# Altium PCB FPGA_Module.PcbDoc (part 3 of 5) (continued)
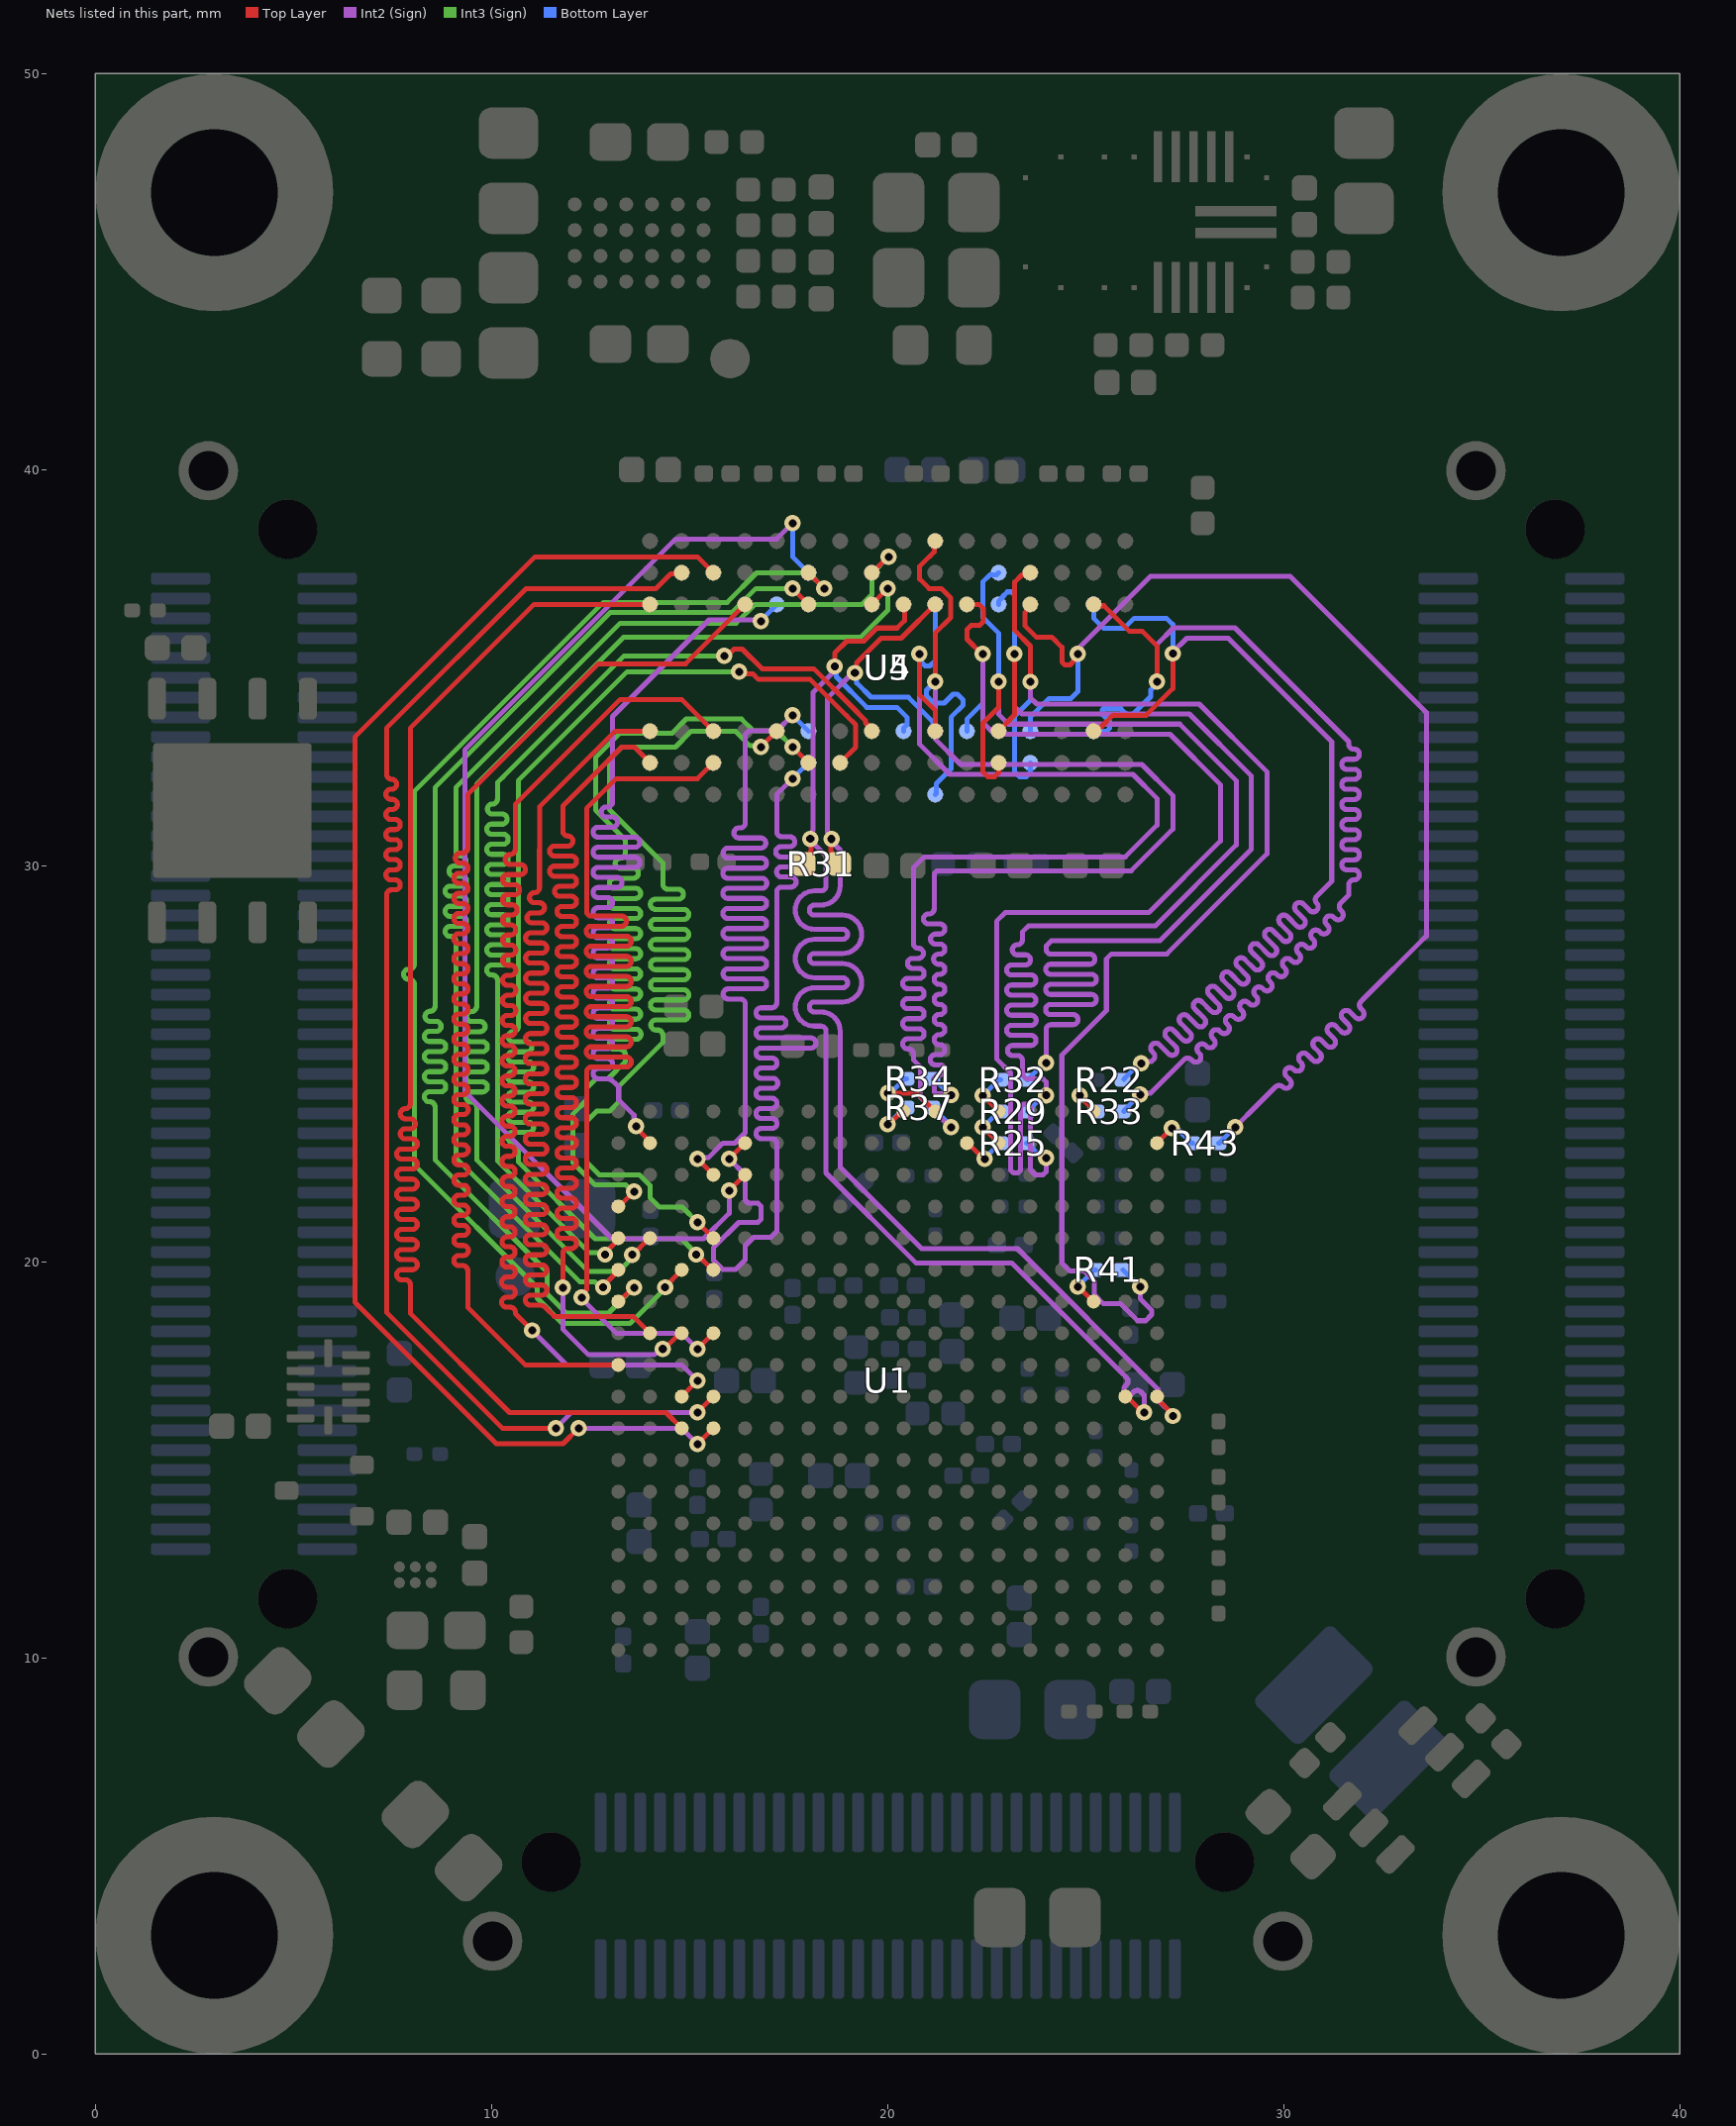
[diagram p7: the nets of this part, all layers, seen from the top]
## Nets (pads, with @x,y where several pads share a name; then routed paths per layer and width w, separated by ;. In a path a pad name is that pad's centre, name@x,y a point inside that pad or via, vN(x,y) a via of type N, cw(c..) or ccw(c..) an arc to the next point about the centre after c; other vN are vias at no path point) (continued)
  Bottom Layer w0.127: v1(18.664,35.031) 18.703,34.991 18.703,34.768 19.472,33.999 19.695,33.999 20.237,33.999 20.487,33.749 20.487,33.561 20.4,33.474 U5.J7@20.4,33.4
DDR3_D0: U1.D14 U4.E3 | length 32.3
  Top Layer w0.127: v1(15.2,21) U1.D14@15.562,20.638 ; v1(16.8,33) U4.E3@17.2,33.4
  Int3 (Sign) w0.127: v1(15.2,21) 14.819,21.381 14.237,21.381 14,21.618 14,21.932 13.732,22.2 13.375,22.2 12.718,22.2 12.406,22.512 12.406,23.556 12.654,23.803 12.978,23.803 13.213,24.038 13.213,24.426 14.325,25.538 14.325,25.662 14.325,25.725 ccw(c14.198,25.725) 14.198,25.852 14.15,25.852 cw(c14.15,25.979) 14.15,26.106 14.852,26.106 ccw(c14.852,26.233) 14.852,26.36 14.14,26.36 cw(c14.14,26.487) 14.14,26.614 14.852,26.614 ccw(c14.852,26.741) 14.852,26.868 14.14,26.868 cw(c14.14,26.995) 14.14,27.122 14.852,27.122 ccw(c14.852,27.249) 14.852,27.376 14.139,27.376 cw(c14.139,27.503) 14.139,27.63 14.852,27.63 ccw(c14.852,27.757) 14.852,27.884 14.138,27.884 cw(c14.138,28.011) 14.138,28.138 14.852,28.138 ccw(c14.852,28.265) 14.852,28.392 14.137,28.392 cw(c14.137,28.519) 14.137,28.646 14.852,28.646 ccw(c14.852,28.773) 14.852,28.9 14.135,28.9 cw(c14.135,29.027) 14.135,29.154 14.718,29.154 ccw(c14.718,29.281) 14.718,29.408 14.452,29.408 cw(c14.452,29.535) 14.325,29.535 14.325,30.066 14.325,30.068 12.975,31.418 12.975,32.682 13.29,32.997 14.64,32.997 15.037,33.394 16.161,33.394 16.526,33.029 16.771,33.029 v1(16.8,33)
DDR3_D1: U1.A12 U4.F7 | length 32.3
  Top Layer w0.127: U1.A12@13.213,19.038 13.263,19.038 13.575,19.35 v1(13.6,19.35) ; v1(17.6,37) U4.F7@18,36.6
  Int3 (Sign) w0.127: v1(13.6,19.35) 12.956,18.706 11.887,18.706 11.406,19.187 11.406,19.744 8.575,22.575 8.575,23.85 8.575,23.913 ccw(c8.448,23.913) 8.448,24.04 8.431,24.04 cw(c8.431,24.167) 8.431,24.294 8.719,24.294 ccw(c8.719,24.421) 8.719,24.548 8.431,24.548 cw(c8.431,24.675) 8.431,24.802 8.719,24.802 ccw(c8.719,24.929) 8.719,25.056 8.431,25.056 cw(c8.431,25.183) 8.431,25.31 8.719,25.31 ccw(c8.719,25.437) 8.719,25.564 8.431,25.564 cw(c8.431,25.691) 8.431,25.818 8.601,25.818 ccw(c8.601,25.945) 8.601,26.072 8.448,26.072 cw(c8.448,26.199) 8.448,26.326 ccw(c8.448,26.453) 8.575,26.453 8.575,27.275 8.575,31.975 12.996,36.396 16.071,36.396 16.675,37 v1(17.6,37)
DDR3_D2: U1.A15 U4.F2 | length 32.4
  Top Layer w0.127: U1.A15@13.162,21.438 13.263,21.438 v1(13.6,21.775) ; v1(17.6,33) U4.F2@18,32.6
  Int3 (Sign) w0.127: v1(13.6,21.775) 13.557,21.775 13.386,21.946 12.613,21.946 12.05,22.509 12.05,23.725 12.406,24.081 12.406,24.388 12.637,24.619 12.944,24.619 13.375,25.05 13.375,25.175 13.375,25.239 ccw(c13.248,25.239) 13.248,25.366 13.102,25.366 cw(c13.102,25.493) 13.102,25.62 13.648,25.62 ccw(c13.648,25.747) 13.648,25.874 13.102,25.874 cw(c13.102,26.001) 13.102,26.128 13.638,26.128 ccw(c13.638,26.255) 13.638,26.382 13.102,26.382 cw(c13.102,26.509) 13.102,26.636 13.638,26.636 ccw(c13.638,26.763) 13.638,26.89 13.102,26.89 cw(c13.102,27.017) 13.102,27.144 13.638,27.144 ccw(c13.638,27.271) 13.638,27.398 13.102,27.398 cw(c13.102,27.525) 13.102,27.652 13.638,27.652 ccw(c13.638,27.779) 13.638,27.906 13.102,27.906 cw(c13.102,28.033) 13.102,28.16 13.638,28.16 ccw(c13.638,28.287) 13.638,28.414 13.102,28.414 cw(c13.102,28.541) 13.102,28.668 13.638,28.668 ccw(c13.638,28.795) 13.638,28.922 13.102,28.922 cw(c13.102,29.049) 13.102,29.176 13.638,29.176 ccw(c13.638,29.303) 13.638,29.43 13.102,29.43 cw(c13.102,29.557) 13.102,29.684 13.581,29.684 ccw(c13.581,29.811) 13.581,29.938 13.248,29.938 cw(c13.248,30.065) 13.248,30.192 ccw(c13.248,30.319) 13.375,30.319 13.375,30.523 13.375,30.659 12.625,31.409 12.625,32.726 13.25,33.351 14.562,33.351 14.917,33.705 16.102,33.705 ; 16.103,33.705 16.312,33.705 16.611,33.406 17.194,33.406 v1(17.6,33)
DDR3_D3: U1.C13 U4.F8 | length 32.3
  Top Layer w0.127: v1(14.383,19.36) 14.383,19.372 14.762,19.751 U1.C13@14.762,19.812 ; U4.F8@18,37.4 v1(18.4,37)
  Int3 (Sign) w0.127: v1(14.383,19.36) 14.383,19.333 13.496,18.446 11.788,18.446 11.152,19.082 11.152,19.348 8.05,22.45 8.05,26.943 8.05,27.007 ccw(c7.923,27.007) 7.923,27.134 7.906,27.134 cw(c7.906,27.261) 7.906,27.388 7.923,27.388 ccw(c7.923,27.515) 8.05,27.515 8.05,28.054 8.05,31.875 12.825,36.65 15.95,36.65 16.694,37.394 18.006,37.394 v1(18.4,37)
DDR3_D4: U1.A14 U4.H3 | length 32.8
  Top Layer w0.127: v1(12.865,20.185) 12.865,20.225 13.161,20.52 13.162,20.52 U1.A14@13.162,20.638 ; v1(15.875,35.3) 15.951,35.3 16.121,35.47 16.332,35.47 16.827,34.975 18.134,34.975 19.065,34.045 19.067,34.045 19.445,33.667 19.445,33.611 19.6,33.455 U4.H3@19.6,33.4
  Int3 (Sign) w0.127: v1(12.865,20.185) 12.821,20.229 12.471,20.229 10.15,22.55 10.15,27.05 10.15,27.114 ccw(c10.023,27.114) 10.023,27.241 10.006,27.241 cw(c10.006,27.368) 10.006,27.495 10.294,27.495 ccw(c10.294,27.622) 10.294,27.749 10.006,27.749 cw(c10.006,27.876) 10.006,28.003 10.294,28.003 ccw(c10.294,28.13) 10.294,28.257 10.006,28.257 cw(c10.006,28.384) 10.006,28.511 10.294,28.511 ccw(c10.294,28.638) 10.294,28.765 10.006,28.765 cw(c10.006,28.892) 10.006,29.019 10.294,29.019 ccw(c10.294,29.146) 10.294,29.273 10.006,29.273 cw(c10.006,29.4) 10.006,29.527 10.294,29.527 ccw(c10.294,29.654) 10.294,29.781 10.006,29.781 cw(c10.006,29.908) 10.006,30.035 10.294,30.035 ccw(c10.294,30.162) 10.294,30.289 10.006,30.289 cw(c10.006,30.416) 10.006,30.543 10.294,30.543 ccw(c10.294,30.67) 10.294,30.797 10.006,30.797 cw(c10.006,30.924) 10.006,31.051 10.268,31.051 ccw(c10.268,31.178) 10.268,31.305 10.023,31.305 cw(c10.023,31.432) 10.023,31.559 ccw(c10.023,31.686) 10.15,31.686 10.15,32.103 10.285,32.238 13.347,35.3 v1(15.875,35.3)
DDR3_D5: U1.A13 U4.H8 | length 32.3
  Top Layer w0.127: v1(12.816,19.359) 12.816,19.387 13.162,19.734 U1.A13@13.162,19.762 ; U4.H8@19.6,37.4 19.612,37.4 20.012,37.8 v1(20.025,37.8)
  Int3 (Sign) w0.127: v1(12.816,19.359) 12.744,19.359 12.602,19.5 12.225,19.5 9.1,22.625 9.1,28.025 9.1,28.089 ccw(c8.973,28.089) 8.973,28.216 8.956,28.216 cw(c8.956,28.343) 8.956,28.47 9.244,28.47 ccw(c9.244,28.597) 9.244,28.724 8.956,28.724 cw(c8.956,28.851) 8.956,28.978 9.244,28.978 ccw(c9.244,29.105) 9.244,29.232 8.956,29.232 cw(c8.956,29.359) 8.956,29.486 9.244,29.486 ccw(c9.244,29.613) 9.244,29.74 9.054,29.74 cw(c9.054,29.867) 9.054,29.994 9.227,29.994 ccw(c9.227,30.121) 9.227,30.248 cw(c9.227,30.375) 9.1,30.375 9.1,31.36 9.1,31.975 13.25,36.125 16.175,36.125 16.644,36.594 19.35,36.594 19.606,36.85 19.606,37.381 v1(20.025,37.8)
DDR3_D6: U1.D13 U4.G2 | length 32.7
  Top Layer w0.127: v1(15.169,20.181) 15.194,20.181 15.537,19.838 U1.D13@15.562,19.838 ; v1(16.25,34.9) 16.303,34.847 16.597,34.847 16.738,34.705 18.045,34.705 18.959,33.791 18.962,33.791 19.191,33.562 19.191,32.991 U4.G2@18.8,32.6
  Int3 (Sign) w0.127: v1(15.169,20.181) 15.169,20.206 14.795,20.58 12.62,20.58 10.675,22.525 10.675,22.825 10.675,22.889 ccw(c10.548,22.889) 10.548,23.016 10.531,23.016 cw(c10.531,23.143) 10.531,23.27 10.937,23.27 ccw(c10.937,23.397) 10.937,23.524 10.531,23.524 cw(c10.531,23.651) 10.531,23.778 10.937,23.778 ccw(c10.937,23.905) 10.937,24.032 10.531,24.032 cw(c10.531,24.159) 10.531,24.286 10.937,24.286 ccw(c10.937,24.413) 10.937,24.54 10.531,24.54 cw(c10.531,24.667) 10.531,24.794 10.937,24.794 ccw(c10.937,24.921) 10.937,25.048 10.531,25.048 cw(c10.531,25.175) 10.531,25.302 10.896,25.302 ccw(c10.896,25.429) 10.896,25.556 10.548,25.556 cw(c10.548,25.683) 10.548,25.81 ccw(c10.548,25.937) 10.675,25.937 10.675,31.922 10.675,32.15 13.425,34.9 v1(16.25,34.9)
DDR3_D7: U1.B14 U4.H7 | length 32.3
  Top Layer w0.127: v1(13.551,20.179) 13.565,20.179 13.948,20.562 U1.B14@13.962,20.562 ; U4.H7@19.6,36.6 v1(20,37)
  Int3 (Sign) w0.127: v1(13.551,20.179) 13.551,20.103 13.358,19.91 13.358,19.908 13.204,19.754 12.446,19.754 9.625,22.575 9.625,23.845 9.625,23.908 ccw(c9.498,23.908) 9.498,24.035 9.481,24.035 cw(c9.481,24.162) 9.481,24.289 9.769,24.289 ccw(c9.769,24.416) 9.769,24.543 9.481,24.543 cw(c9.481,24.67) 9.481,24.797 9.769,24.797 ccw(c9.769,24.924) 9.769,25.051 9.481,25.051 cw(c9.481,25.178) 9.481,25.305 9.769,25.305 ccw(c9.769,25.432) 9.769,25.559 9.481,25.559 cw(c9.481,25.686) 9.481,25.813 9.713,25.813 ccw(c9.713,25.94) 9.713,26.067 9.498,26.067 cw(c9.498,26.194) 9.498,26.321 ccw(c9.498,26.448) 9.625,26.448 9.625,26.89 9.625,32.061 13.333,35.769 19.325,35.769 20,36.443 v1(20,37)
DDR3_D8: U1.A10 U4.D7 | length 36.8
  Top Layer w0.127: U1.A10@13.2,17.4 10.85,17.4 9.4,18.85 9.4,19.716 9.4,19.779 ccw(c9.273,19.779) 9.273,19.906 9.177,19.906 cw(c9.177,20.033) 9.177,20.16 9.288,20.16 ccw(c9.288,20.287) 9.288,20.414 9.177,20.414 cw(c9.177,20.541) 9.177,20.668 9.289,20.668 ccw(c9.289,20.795) 9.289,20.922 9.177,20.922 cw(c9.177,21.049) 9.177,21.176 9.289,21.176 ccw(c9.289,21.303) 9.289,21.43 9.177,21.43 cw(c9.177,21.557) 9.177,21.684 9.289,21.684 ccw(c9.289,21.811) 9.289,21.938 9.177,21.938 cw(c9.177,22.065) 9.177,22.192 9.289,22.192 ccw(c9.289,22.319) 9.289,22.446 9.177,22.446 cw(c9.177,22.573) 9.177,22.7 9.288,22.7 ccw(c9.288,22.827) 9.288,22.954 9.177,22.954 cw(c9.177,23.081) 9.177,23.208 9.286,23.208 ccw(c9.286,23.335) 9.286,23.462 9.177,23.462 cw(c9.177,23.589) 9.177,23.716 9.284,23.716 ccw(c9.284,23.843) 9.284,23.97 9.177,23.97 cw(c9.177,24.097) 9.177,24.224 9.282,24.224 ccw(c9.282,24.351) 9.282,24.478 9.177,24.478 cw(c9.177,24.605) 9.177,24.732 9.28,24.732 ccw(c9.28,24.859) 9.28,24.986 9.177,24.986 cw(c9.177,25.113) 9.177,25.24 9.28,25.24 ccw(c9.28,25.367) 9.28,25.494 9.177,25.494 cw(c9.177,25.621) 9.177,25.748 9.28,25.748 ccw(c9.28,25.875) 9.28,26.002 9.177,26.002 cw(c9.177,26.129) 9.177,26.256 9.28,26.256 ccw(c9.28,26.383) 9.28,26.51 9.177,26.51 cw(c9.177,26.637) 9.177,26.764 9.28,26.764 ccw(c9.28,26.891) 9.28,27.018 9.177,27.018 cw(c9.177,27.145) 9.177,27.272 9.28,27.272 ccw(c9.28,27.399) 9.28,27.526 9.177,27.526 cw(c9.177,27.653) 9.177,27.78 9.28,27.78 ccw(c9.28,27.907) 9.28,28.034 9.177,28.034 cw(c9.177,28.161) 9.177,28.288 9.28,28.288 ccw(c9.28,28.415) 9.28,28.542 9.177,28.542 cw(c9.177,28.669) 9.177,28.796 9.28,28.796 ccw(c9.28,28.923) 9.28,29.05 9.177,29.05 cw(c9.177,29.177) 9.177,29.304 9.28,29.304 ccw(c9.28,29.431) 9.28,29.558 9.177,29.558 cw(c9.177,29.685) 9.177,29.812 9.28,29.812 ccw(c9.28,29.939) 9.28,30.066 9.213,30.066 cw(c9.213,30.193) 9.213,30.32 9.273,30.32 ccw(c9.273,30.447) 9.4,30.447 9.4,31.8 12.7,35.1 14.9,35.1 U4.D7@16.4,36.6
DDR3_D9: U1.C9 U4.C3 | length 36.1
  Top Layer w0.127: v1(11.025,18.268) 10.63,18.664 10.602,18.691 10.602,18.727 ccw(c10.475,18.727) 10.475,18.854 10.381,18.854 cw(c10.381,18.981) 10.381,19.108 10.474,19.108 ccw(c10.474,19.235) 10.474,19.362 10.381,19.362 cw(c10.381,19.489) 10.381,19.616 10.474,19.616 ccw(c10.474,19.743) 10.474,19.87 10.389,19.87 cw(c10.389,19.997) 10.389,20.124 10.47,20.124 ccw(c10.47,20.251) 10.47,20.378 10.392,20.378 cw(c10.392,20.505) 10.392,20.632 10.47,20.632 ccw(c10.47,20.759) 10.47,20.886 10.392,20.886 cw(c10.392,21.013) 10.392,21.14 10.47,21.14 ccw(c10.47,21.267) 10.47,21.394 10.392,21.394 cw(c10.392,21.521) 10.392,21.648 10.47,21.648 ccw(c10.47,21.775) 10.47,21.902 10.392,21.902 cw(c10.392,22.029) 10.392,22.156 10.47,22.156 ccw(c10.47,22.283) 10.47,22.41 10.392,22.41 cw(c10.392,22.537) 10.392,22.664 10.47,22.664 ccw(c10.47,22.791) 10.47,22.918 10.392,22.918 cw(c10.392,23.045) 10.392,23.172 10.47,23.172 ccw(c10.47,23.299) 10.47,23.426 10.392,23.426 cw(c10.392,23.553) 10.392,23.68 10.47,23.68 ccw(c10.47,23.807) 10.47,23.934 10.392,23.934 cw(c10.392,24.061) 10.392,24.188 10.47,24.188 ccw(c10.47,24.315) 10.47,24.442 10.392,24.442 cw(c10.392,24.569) 10.392,24.696 10.47,24.696 ccw(c10.47,24.823) 10.47,24.95 10.392,24.95 cw(c10.392,25.077) 10.392,25.204 10.471,25.204 ccw(c10.471,25.331) 10.471,25.458 10.394,25.458 cw(c10.394,25.585) 10.394,25.712 10.481,25.712 ccw(c10.481,25.839) 10.481,25.966 10.399,25.966 cw(c10.399,26.093) 10.399,26.22 10.485,26.22 ccw(c10.485,26.347) 10.485,26.474 10.403,26.474 cw(c10.403,26.601) 10.403,26.728 10.487,26.728 ccw(c10.487,26.855) 10.487,26.982 10.407,26.982 cw(c10.407,27.109) 10.407,27.236 10.486,27.236 ccw(c10.486,27.363) 10.486,27.49 10.407,27.49 cw(c10.407,27.617) 10.407,27.744 10.484,27.744 ccw(c10.484,27.871) 10.484,27.998 10.406,27.998 cw(c10.406,28.125) 10.406,28.252 10.483,28.252 ccw(c10.483,28.379) 10.483,28.506 10.405,28.506 cw(c10.405,28.633) 10.405,28.76 10.519,28.76 ccw(c10.519,28.887) 10.519,29.014 10.404,29.014 cw(c10.404,29.141) 10.404,29.268 10.581,29.268 ccw(c10.581,29.395) 10.581,29.522 10.404,29.522 cw(c10.404,29.649) 10.404,29.776 10.73,29.776 ccw(c10.73,29.903) 10.73,30.03 10.473,30.03 cw(c10.473,30.157) 10.473,30.284 ccw(c10.473,30.411) 10.6,30.411 10.6,31.518 10.6,31.55 13.25,34.2 14.8,34.2 U4.C3@15.6,33.4 ; U1.C9@14.838,16.638 v1(15.2,17)
  Int2 (Sign) w0.127: v1(11.025,18.268) 11.893,17.4 14.8,17.4 v1(15.2,17)
DDR3_D10: U1.D8 U4.C8 | length 36.3
  Top Layer w0.127: v1(12.2,15.8) 11.806,15.406 10.124,15.406 6.55,18.98 6.55,33.25 11.1,37.8 15.2,37.8 U4.C8@15.6,37.4 ; v1(15.2,15.4) U1.D8@15.562,15.762
  Int2 (Sign) w0.127: v1(12.2,15.8) 14.8,15.8 v1(15.2,15.4)
DDR3_D11: U1.D11 U4.C2 | length 36.2
  Top Layer w0.127: v1(12.275,19.1) 12.275,19.176 12.4,19.301 12.4,24.475 12.4,24.793 cw(c12.527,24.793) 12.527,24.92 13.401,24.92 ccw(c13.401,25.047) 13.401,25.174 12.519,25.174 cw(c12.519,25.301) 12.519,25.428 13.401,25.428 ccw(c13.401,25.555) 13.401,25.682 12.519,25.682 cw(c12.519,25.809) 12.519,25.936 13.401,25.936 ccw(c13.401,26.063) 13.401,26.19 12.519,26.19 cw(c12.519,26.317) 12.519,26.444 13.401,26.444 ccw(c13.401,26.571) 13.401,26.698 12.519,26.698 cw(c12.519,26.825) 12.519,26.952 13.401,26.952 ccw(c13.401,27.079) 13.401,27.206 12.519,27.206 cw(c12.519,27.333) 12.519,27.46 13.401,27.46 ccw(c13.401,27.587) 13.401,27.714 12.519,27.714 cw(c12.519,27.841) 12.519,27.968 13.401,27.968 ccw(c13.401,28.095) 13.401,28.222 12.519,28.222 cw(c12.519,28.349) 12.519,28.476 13.281,28.476 ccw(c13.281,28.603) 13.281,28.73 12.527,28.73 cw(c12.527,28.857) 12.4,28.857 12.4,29.608 12.4,31.45 13.149,32.199 15.199,32.199 U4.C2@15.6,32.6 ; v1(15.2,17.8) U1.D11@15.562,18.162
  Int2 (Sign) w0.127: v1(12.275,19.1) 12.275,19.075 13.15,18.2 14.8,18.2 v1(15.2,17.8)
DDR3_D12: U1.C8 U4.A7 | length 36.8
  Top Layer w0.127: U4.A7@14,36.6 11.075,36.6 7.95,33.475 7.95,25.125 7.95,23.993 cw(c7.823,23.993) 7.823,23.866 ccw(c7.823,23.739) 7.823,23.612 7.95,23.612 cw(c7.95,23.485) 7.95,23.358 7.824,23.358 ccw(c7.824,23.231) 7.824,23.104 8,23.104 cw(c8,22.977) 8,22.85 7.731,22.85 ccw(c7.731,22.723) 7.731,22.596 8,22.596 cw(c8,22.469) 8,22.342 7.731,22.342 ccw(c7.731,22.215) 7.731,22.088 8,22.088 cw(c8,21.961) 8,21.834 7.731,21.834 ccw(c7.731,21.707) 7.731,21.58 8,21.58 cw(c8,21.453) 8,21.326 7.731,21.326 ccw(c7.731,21.199) 7.731,21.072 8,21.072 cw(c8,20.945) 8,20.818 7.731,20.818 ccw(c7.731,20.691) 7.731,20.564 8,20.564 cw(c8,20.437) 8,20.31 7.731,20.31 ccw(c7.731,20.183) 7.731,20.056 8,20.056 cw(c8,19.929) 8,19.802 7.731,19.802 ccw(c7.731,19.675) 7.731,19.548 7.823,19.548 cw(c7.823,19.421) 7.95,19.421 7.95,19.358 7.95,18.7 10.455,16.195 14.405,16.195 U1.C8@14.8,15.8
DDR3_D13: U1.C11 U4.A2 | length 36.2
  Top Layer w0.127: v1(11.8,19.35) 11.8,19.894 11.8,20.211 cw(c11.927,20.211) 11.927,20.338 12.019,20.338 ccw(c12.019,20.465) 12.019,20.592 11.779,20.592 cw(c11.779,20.719) 11.779,20.846 12.019,20.846 ccw(c12.019,20.973) 12.019,21.1 11.779,21.1 cw(c11.779,21.227) 11.779,21.354 12.019,21.354 ccw(c12.019,21.481) 12.019,21.608 11.779,21.608 cw(c11.779,21.735) 11.779,21.862 12.019,21.862 ccw(c12.019,21.989) 12.019,22.116 11.779,22.116 cw(c11.779,22.243) 11.779,22.37 12.019,22.37 ccw(c12.019,22.497) 12.019,22.624 11.779,22.624 cw(c11.779,22.751) 11.779,22.878 12.019,22.878 ccw(c12.019,23.005) 12.019,23.132 11.779,23.132 cw(c11.779,23.259) 11.779,23.386 12.019,23.386 ccw(c12.019,23.513) 12.019,23.64 11.779,23.64 cw(c11.779,23.767) 11.779,23.894 12.019,23.894 ccw(c12.019,24.021) 12.019,24.148 11.779,24.148 cw(c11.779,24.275) 11.779,24.402 12.019,24.402 ccw(c12.019,24.529) 12.019,24.656 11.779,24.656 cw(c11.779,24.783) 11.779,24.91 12.019,24.91 ccw(c12.019,25.037) 12.019,25.164 11.779,25.164 cw(c11.779,25.291) 11.779,25.418 12.019,25.418 ccw(c12.019,25.545) 12.019,25.672 11.779,25.672 cw(c11.779,25.799) 11.779,25.926 12.019,25.926 ccw(c12.019,26.053) 12.019,26.18 11.779,26.18 cw(c11.779,26.307) 11.779,26.434 12.019,26.434 ccw(c12.019,26.561) 12.019,26.688 11.779,26.688 cw(c11.779,26.815) 11.779,26.942 12.019,26.942 ccw(c12.019,27.069) 12.019,27.196 11.779,27.196 cw(c11.779,27.323) 11.779,27.45 12.019,27.45 ccw(c12.019,27.577) 12.019,27.704 11.779,27.704 cw(c11.779,27.831) 11.779,27.958 12.019,27.958 ccw(c12.019,28.085) 12.019,28.212 11.779,28.212 cw(c11.779,28.339) 11.779,28.466 12.019,28.466 ccw(c12.019,28.593) 12.019,28.72 11.779,28.72 cw(c11.779,28.847) 11.779,28.974 12.019,28.974 ccw(c12.019,29.101) 12.019,29.228 11.72,29.228 cw(c11.72,29.355) 11.72,29.482 12.019,29.482 ccw(c12.019,29.609) 12.019,29.736 11.593,29.736 cw(c11.593,29.863) 11.593,29.99 12.019,29.99 ccw(c12.019,30.117) 12.019,30.244 11.595,30.244 cw(c11.595,30.371) 11.595,30.498 11.927,30.498 ccw(c11.927,30.625) 11.927,30.752 cw(c11.927,30.879) 11.8,30.879 11.8,31.507 11.901,31.607 13.287,32.994 13.613,32.994 14,32.607 U4.A2@14,32.6 ; v1(14.323,17.802) 14.362,17.802 14.723,18.162 U1.C11@14.762,18.162
  Int2 (Sign) w0.127: v1(11.8,19.35) 11.8,18.3 12.446,17.654 14.109,17.654 14.256,17.802 v1(14.323,17.802)
DDR3_D14: U1.D9 U4.B8 | length 36.3
  Top Layer w0.127: v1(11.625,15.8) 10.275,15.8 7.35,18.725 7.35,28.947 7.35,29.264 cw(c7.477,29.264) 7.477,29.391 7.569,29.391 ccw(c7.569,29.518) 7.569,29.645 7.46,29.645 cw(c7.46,29.772) 7.46,29.899 7.569,29.899 ccw(c7.569,30.026) 7.569,30.153 7.46,30.153 cw(c7.46,30.28) 7.46,30.407 7.569,30.407 ccw(c7.569,30.534) 7.569,30.661 7.46,30.661 cw(c7.46,30.788) 7.46,30.915 7.569,30.915 ccw(c7.569,31.042) 7.569,31.169 7.46,31.169 cw(c7.46,31.296) 7.46,31.423 7.498,31.423 ccw(c7.498,31.55) 7.498,31.677 7.46,31.677 cw(c7.46,31.804) 7.46,31.931 7.477,31.931 ccw(c7.477,32.058) 7.477,32.185 cw(c7.477,32.312) 7.35,32.312 7.35,33.099 7.35,33.475 10.865,36.99 14.143,36.99 14.527,37.375 14.775,37.375 U4.B8@14.8,37.4 ; v1(15.2,16.2) U1.D9@15.562,16.562
  Int2 (Sign) w0.127: v1(11.625,15.8) 12.025,16.2 v1(15.2,16.2)
DDR3_D15: U1.B11 U4.A3 | length 36.8
  Top Layer w0.127: U1.B11@14,18.2 13.576,18.624 11.585,18.624 11.429,18.78 11.366,18.843 ccw(c11.212,18.69) 11.212,18.907 10.981,18.907 cw(c10.981,19.034) 10.981,19.161 11.271,19.161 ccw(c11.271,19.288) 11.271,19.415 10.981,19.415 cw(c10.981,19.542) 10.981,19.669 11.271,19.669 ccw(c11.271,19.796) 11.271,19.923 10.977,19.923 cw(c10.977,20.05) 10.977,20.177 11.271,20.177 ccw(c11.271,20.304) 11.271,20.431 10.977,20.431 cw(c10.977,20.558) 10.977,20.685 11.271,20.685 ccw(c11.271,20.812) 11.271,20.939 10.977,20.939 cw(c10.977,21.066) 10.977,21.193 11.271,21.193 ccw(c11.271,21.32) 11.271,21.447 10.977,21.447 cw(c10.977,21.574) 10.977,21.701 11.271,21.701 ccw(c11.271,21.828) 11.271,21.955 10.977,21.955 cw(c10.977,22.082) 10.977,22.209 11.271,22.209 ccw(c11.271,22.336) 11.271,22.463 10.977,22.463 cw(c10.977,22.59) 10.977,22.717 11.271,22.717 ccw(c11.271,22.844) 11.271,22.971 10.977,22.971 cw(c10.977,23.098) 10.977,23.225 11.271,23.225 ccw(c11.271,23.352) 11.271,23.479 10.977,23.479 cw(c10.977,23.606) 10.977,23.733 11.271,23.733 ccw(c11.271,23.86) 11.271,23.987 10.977,23.987 cw(c10.977,24.114) 10.977,24.241 11.271,24.241 ccw(c11.271,24.368) 11.271,24.495 10.977,24.495 cw(c10.977,24.622) 10.977,24.749 11.271,24.749 ccw(c11.271,24.876) 11.271,25.003 10.977,25.003 cw(c10.977,25.13) 10.977,25.257 11.271,25.257 ccw(c11.271,25.384) 11.271,25.511 10.984,25.511 cw(c10.984,25.638) 10.984,25.765 11.271,25.765 ccw(c11.271,25.892) 11.271,26.019 10.986,26.019 cw(c10.986,26.146) 10.986,26.273 11.271,26.273 ccw(c11.271,26.4) 11.271,26.527 10.987,26.527 cw(c10.987,26.654) 10.987,26.781 11.271,26.781 ccw(c11.271,26.908) 11.271,27.035 10.987,27.035 cw(c10.987,27.162) 10.987,27.289 11.271,27.289 ccw(c11.271,27.416) 11.271,27.543 10.986,27.543 cw(c10.986,27.67) 10.986,27.797 11.271,27.797 ccw(c11.271,27.924) 11.271,28.051 10.986,28.051 cw(c10.986,28.178) 10.986,28.305 11.271,28.305 ccw(c11.271,28.432) 11.271,28.559 11.022,28.559 cw(c11.022,28.686) 11.022,28.813 11.211,28.813 ccw(c11.211,28.94) 11.211,29.067 11.084,29.067 cw(c11.084,29.194) 11.084,29.321 ccw(c11.084,29.448) 11.211,29.448 11.214,31.422 11.214,31.485 11.214,31.489 13.124,33.4 U4.A3@14,33.4
DDR3_D16: U1.B17 U5.E3 | length 30.2
  Top Layer w0.127: v1(13.65,23.425) 13.65,23.388 13.962,23.075 U1.B17@13.962,23.038
  Int2 (Sign) w0.127: v1(13.65,23.425) 13.599,23.476 13.599,23.701 13.2,24.1 13.2,24.426 13.127,24.499 13.063,24.562 ccw(c12.91,24.409) 12.91,24.626 12.692,24.626 cw(c12.692,24.753) 12.692,24.88 12.927,24.88 ccw(c12.927,25.007) 12.927,25.134 12.692,25.134 cw(c12.692,25.261) 12.692,25.388 12.929,25.388 ccw(c12.929,25.515) 12.929,25.642 12.692,25.642 cw(c12.692,25.769) 12.692,25.896 12.93,25.896 ccw(c12.93,26.023) 12.93,26.15 12.692,26.15 cw(c12.692,26.277) 12.692,26.404 12.93,26.404 ccw(c12.93,26.531) 12.93,26.658 12.692,26.658 cw(c12.692,26.785) 12.692,26.912 12.929,26.912 ccw(c12.929,27.039) 12.929,27.166 12.692,27.166 cw(c12.692,27.293) 12.692,27.42 12.928,27.42 ccw(c12.928,27.547) 12.928,27.674 12.692,27.674 cw(c12.692,27.801) 12.692,27.928 12.928,27.928 ccw(c12.928,28.055) 12.928,28.182 12.692,28.182 cw(c12.692,28.309) 12.692,28.436 12.928,28.436 ccw(c12.928,28.563) 12.928,28.69 12.692,28.69 cw(c12.692,28.817) 12.692,28.944 12.927,28.944 ccw(c12.927,29.071) 12.927,29.198 12.692,29.198 cw(c12.692,29.325) 12.692,29.452 13.168,29.452 ccw(c13.168,29.579) 13.168,29.706 12.692,29.706 cw(c12.692,29.833) 12.692,29.96 13.619,29.96 ccw(c13.619,30.087) 13.619,30.214 12.692,30.214 cw(c12.692,30.341) 12.692,30.468 13.619,30.468 ccw(c13.619,30.595) 13.619,30.722 12.692,30.722 cw(c12.692,30.849) 12.692,30.976 13.054,30.976 ccw(c13.054,31.103) 13.054,31.23 12.896,31.23 cw(c12.896,31.357) 12.896,31.484 12.927,31.484 ccw(c12.927,31.611) 13.054,31.611 13.054,33.772 15.49,36.208 16.526,36.208 16.528,36.206 16.769,36.206 v1(16.8,36.175)
  Bottom Layer w0.127: v1(16.8,36.175) 16.8,36.188 17.2,36.588 U5.E3@17.2,36.6
DDR3_D17: U1.D16 U5.F7 | length 30.2
  Top Layer w0.127: v1(15.2,22.6) U1.D16@15.562,22.238
  Int2 (Sign) w0.127: v1(15.2,22.6) 15.23,22.63 15.473,22.63 15.837,22.994 16.144,22.994 16.406,23.256 16.406,26.447 ; 16.406,26.447 16.406,26.51 ccw(c16.279,26.51) 16.279,26.637 15.974,26.637 cw(c15.974,26.764) 15.974,26.891 16.819,26.891 ccw(c16.819,27.018) 16.819,27.145 15.973,27.145 cw(c15.973,27.272) 15.973,27.399 16.819,27.399 ccw(c16.819,27.526) 16.819,27.653 15.971,27.653 cw(c15.971,27.78) 15.971,27.907 16.819,27.907 ccw(c16.819,28.034) 16.819,28.161 15.97,28.161 cw(c15.97,28.288) 15.97,28.415 16.819,28.415 ccw(c16.819,28.542) 16.819,28.669 15.969,28.669 cw(c15.969,28.796) 15.969,28.923 16.819,28.923 ccw(c16.819,29.05) 16.819,29.177 15.968,29.177 cw(c15.968,29.304) 15.968,29.431 16.823,29.431 ccw(c16.823,29.558) 16.823,29.685 15.967,29.685 cw(c15.967,29.812) 15.967,29.939 16.818,29.939 ccw(c16.818,30.066) 16.818,30.193 15.975,30.193 cw(c15.975,30.32) 15.975,30.447 16.798,30.447 ccw(c16.798,30.574) 16.798,30.701 16.246,30.701 cw(c16.246,30.828) 16.246,30.955 16.279,30.955 ccw(c16.279,31.082) 16.406,31.082 16.406,31.435 16.406,33.313 16.499,33.406 17.206,33.406 v1(17.6,33.8)
  Bottom Layer w0.127: v1(17.6,33.8) U5.F7@18,33.4
DDR3_D18: U1.E16 U5.F2 | length 30.3
  Top Layer w0.127: v1(16,21.8) U1.E16@16.362,22.162
  Int2 (Sign) w0.127: v1(16,21.8) 16,21.225 15.355,20.58 13.045,20.58 9.325,24.3 9.325,32.925 14.65,38.25 17.2,38.25 v1(17.6,38.65)
  Bottom Layer w0.127: v1(17.6,38.65) 17.6,37.8 U5.F2@18,37.4
DDR3_D19: U1.E17 U5.F8 | length 30.2
  Top Layer w0.127: v1(16,22.6) U1.E17@16.362,22.962
  Int2 (Sign) w0.127: v1(16,22.6) 16.406,22.194 16.406,21.556 16.481,21.481 16.726,21.481 16.8,21.407 16.8,21.072 16.726,20.998 16.241,20.998 15.606,20.363 15.606,20.037 15.837,19.806 16.163,19.806 16.406,20.05 16.406,20.41 16.617,20.621 17.05,20.621 17.2,20.77 17.2,22.578 17.2,22.986 ccw(c17.073,22.986) 17.073,23.113 16.805,23.113 cw(c16.805,23.24) 16.805,23.367 17.079,23.367 ccw(c17.079,23.494) 17.079,23.621 16.805,23.621 cw(c16.805,23.748) 16.805,23.875 17.079,23.875 ccw(c17.079,24.002) 17.079,24.129 16.805,24.129 cw(c16.805,24.256) 16.805,24.383 17.099,24.383 ccw(c17.099,24.51) 17.099,24.637 16.805,24.637 cw(c16.805,24.764) 16.805,24.891 17.079,24.891 ccw(c17.079,25.018) 17.079,25.145 16.805,25.145 cw(c16.805,25.272) 16.805,25.399 18.064,25.399 ccw(c18.064,25.526) 18.064,25.653 16.805,25.653 cw(c16.805,25.78) 16.805,25.907 17.306,25.907 ccw(c17.306,26.034) 17.306,26.161 16.805,26.161 cw(c16.805,26.288) 16.805,26.415 17.073,26.415 ccw(c17.073,26.542) 17.2,26.542 17.2,29.336 cw(c17.327,29.336) 17.327,29.463 17.562,29.463 ccw(c17.562,29.59) 17.562,29.717 17.323,29.717 cw(c17.323,29.844) 17.323,29.971 17.98,29.971 ccw(c17.98,30.098) 17.98,30.225 17.303,30.225 cw(c17.303,30.352) 17.303,30.479 17.529,30.479 ccw(c17.529,30.606) 17.529,30.733 17.327,30.733 cw(c17.327,30.86) 17.2,30.86 17.2,30.923 17.2,31.8 v1(17.6,32.2)
  Bottom Layer w0.127: v1(17.6,32.2) U5.F8@18,32.6